# Altium PCB ECG_HS_LS.PcbDoc (part 1 of 2)
Units mm, origin at the board's own origin, x right, y up, seen from the top; angles counter-clockwise.
Board outline 88.82 x 45.47 mm, 4 copper layers (Top Layer, GND, PWR, Bottom Layer), stack 0.929 mm thick; 184 components, 118 nets, 579 pads, 362 vias.
Unrouted connection lines stored in the file: 114.
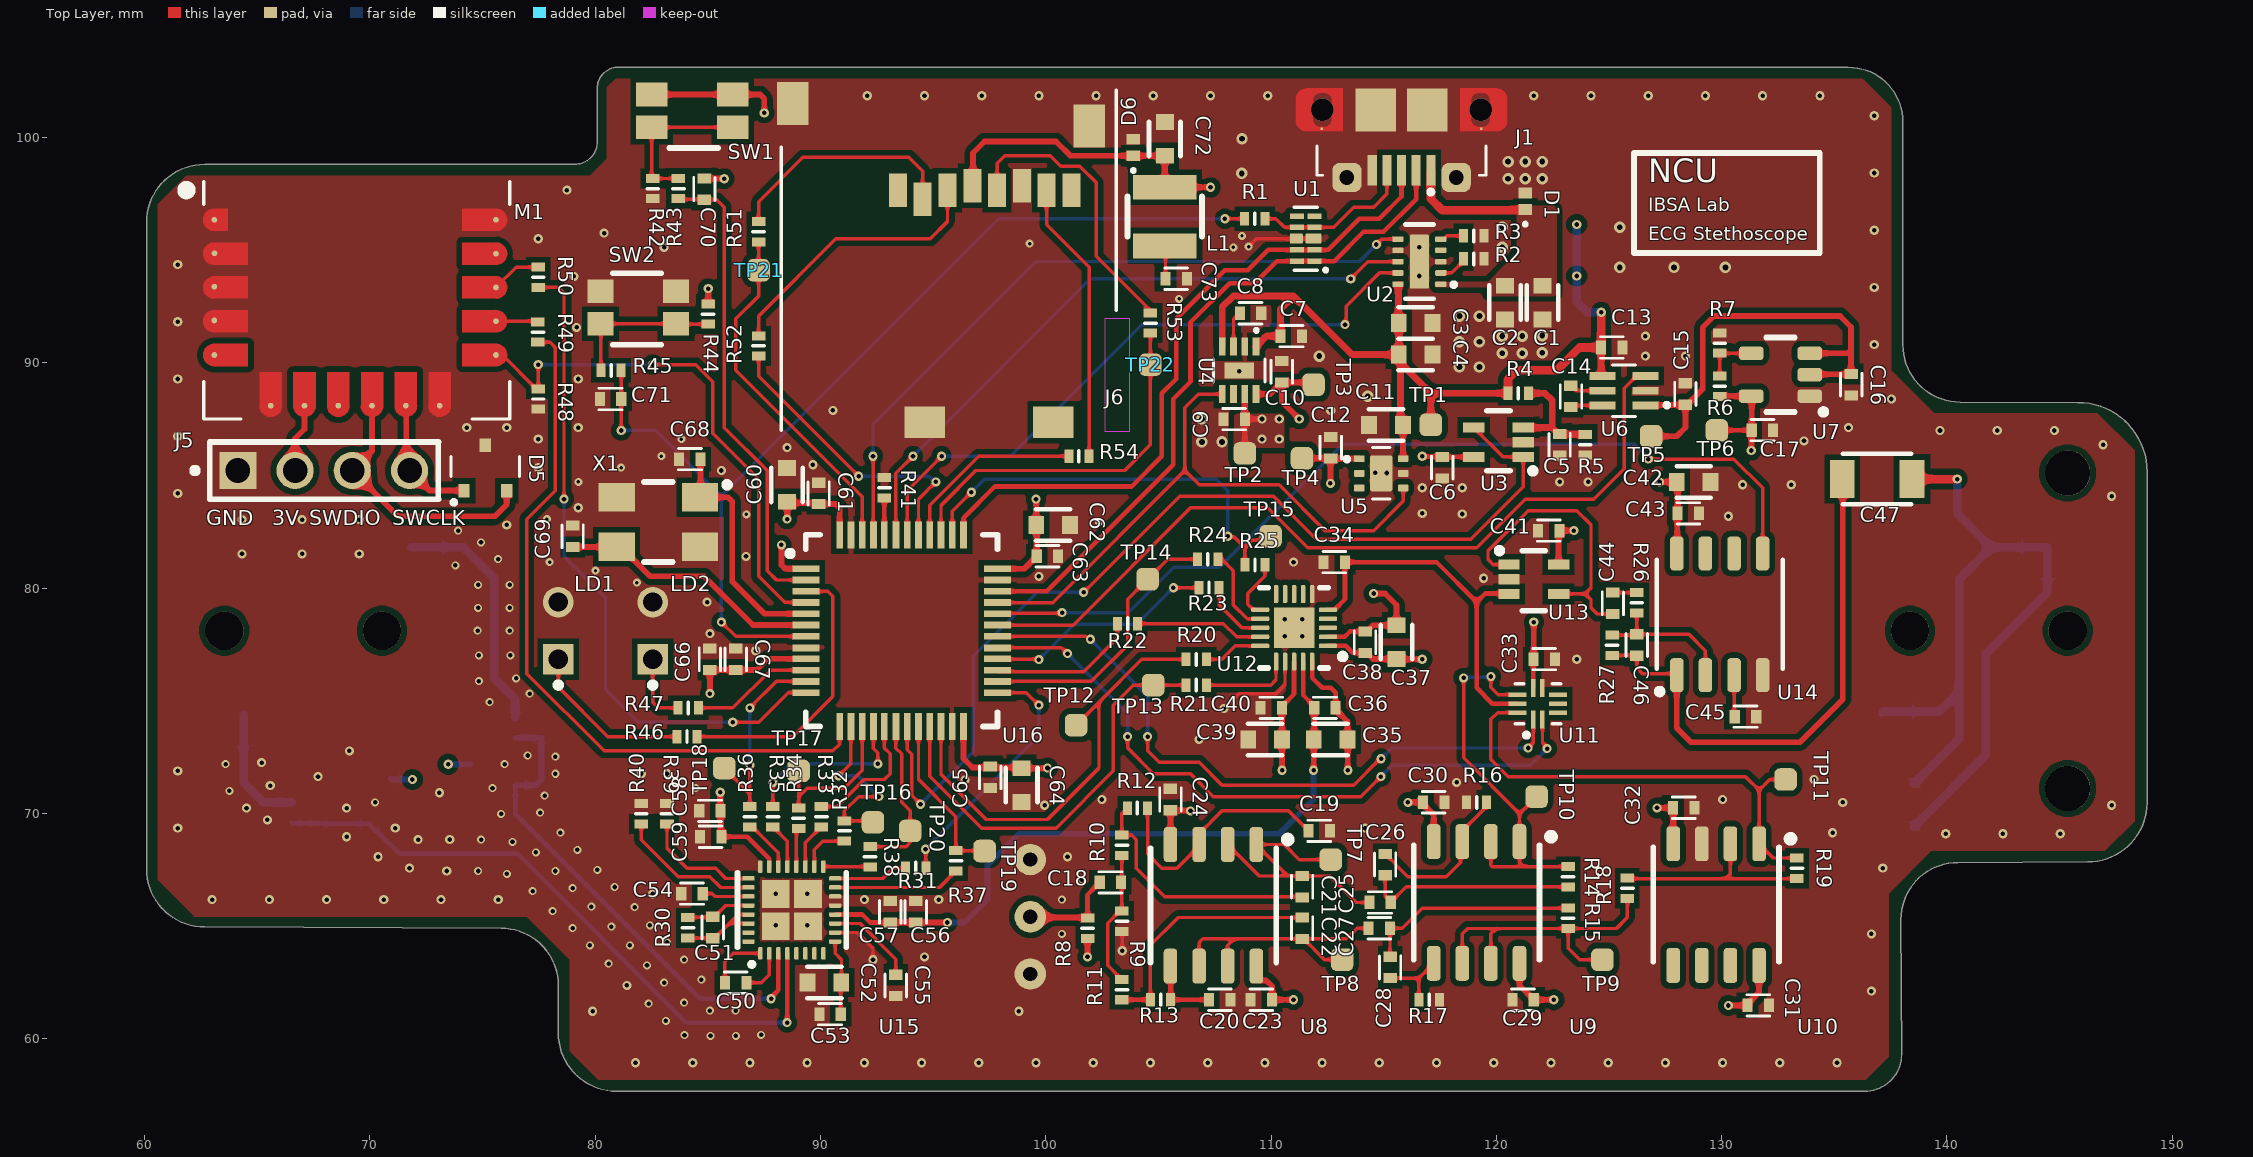
[diagram p0: Top Layer view]
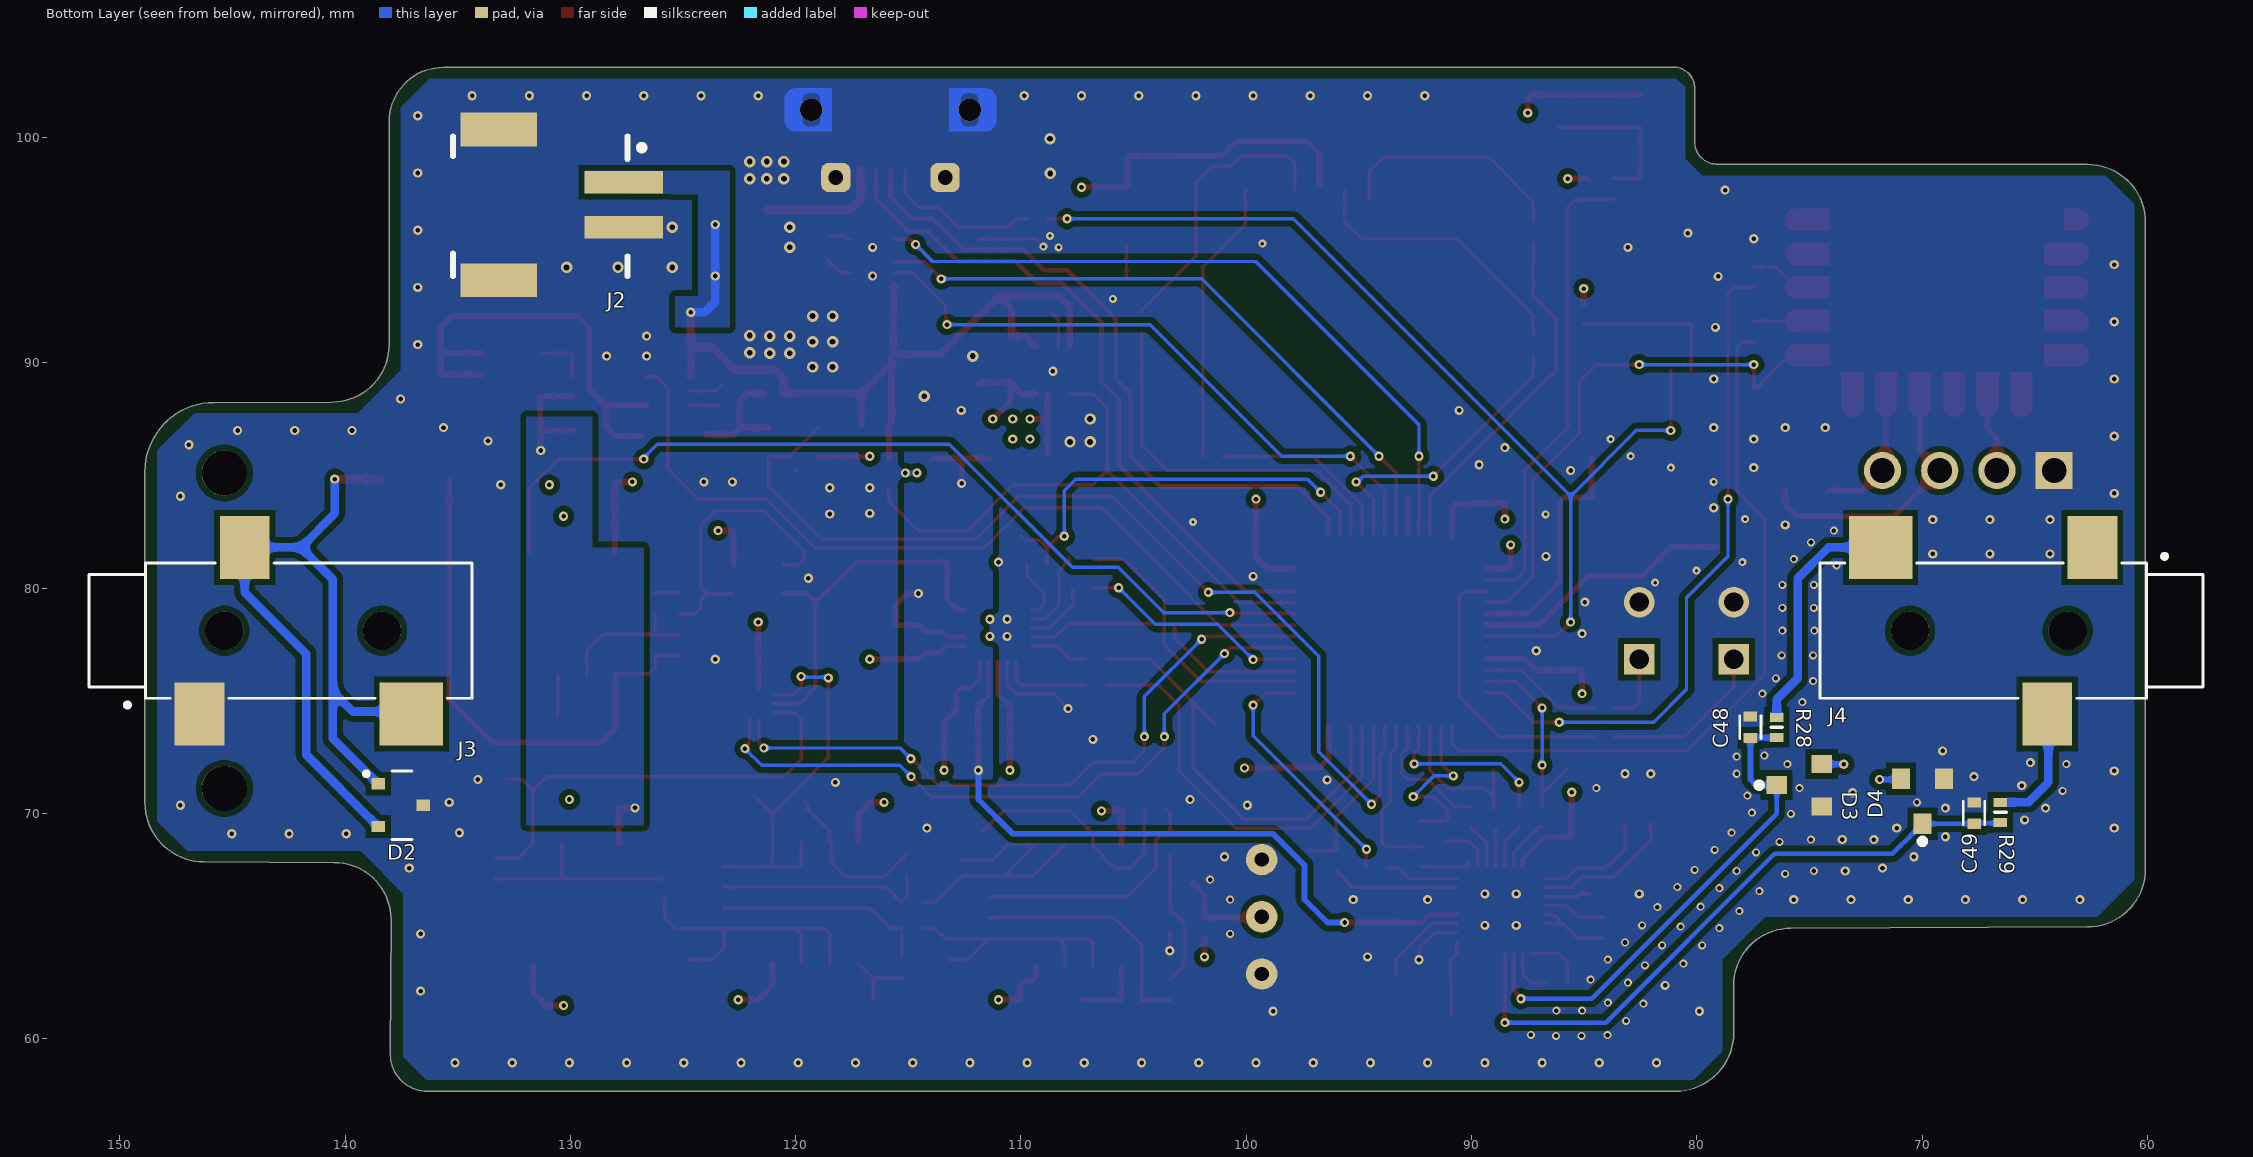
[diagram p1: Bottom Layer view, seen from below]
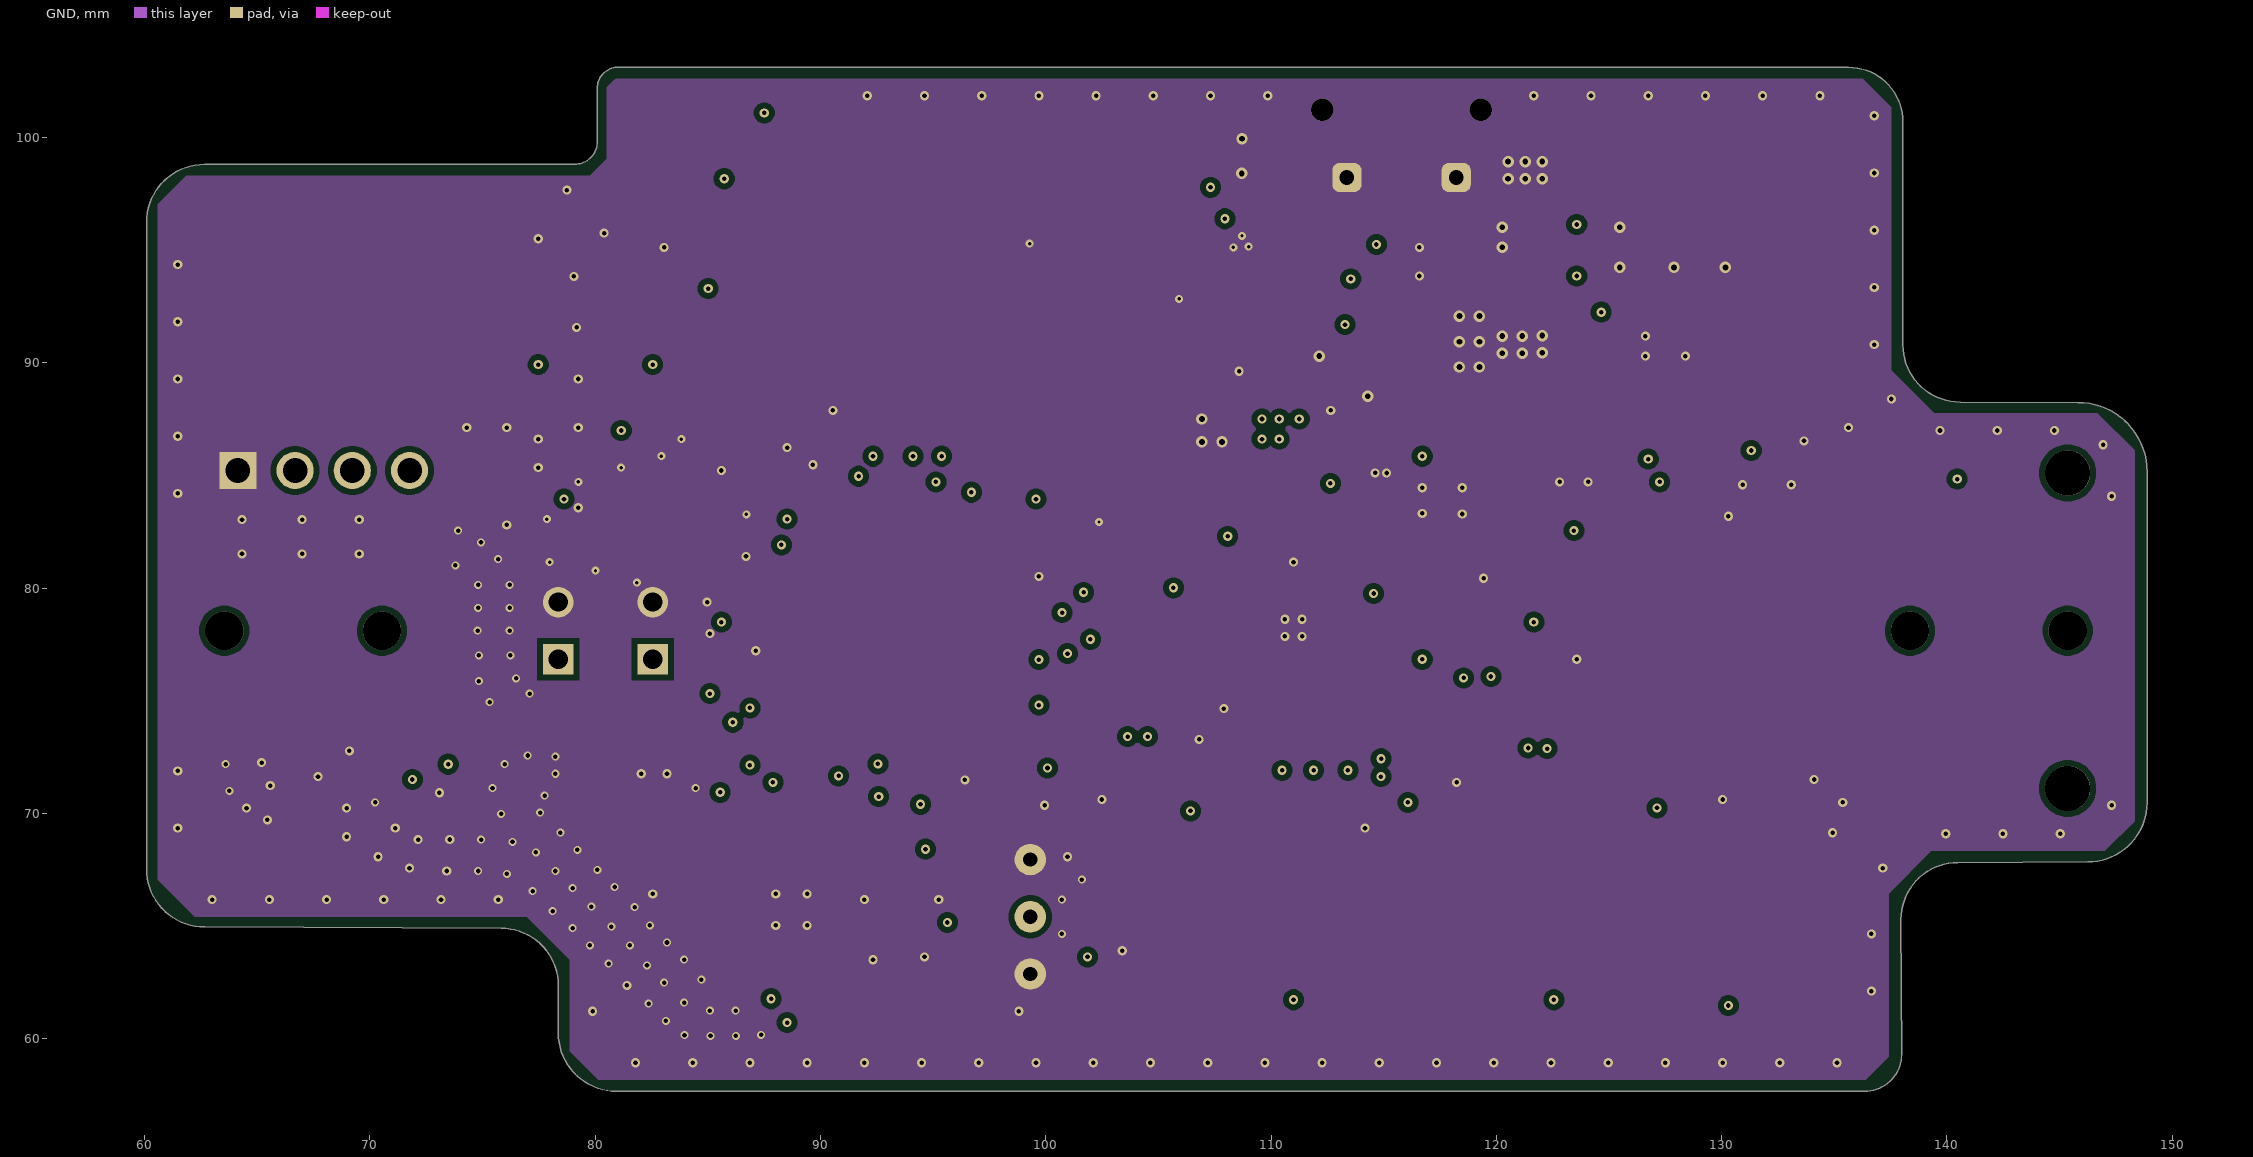
[diagram p2: GND]
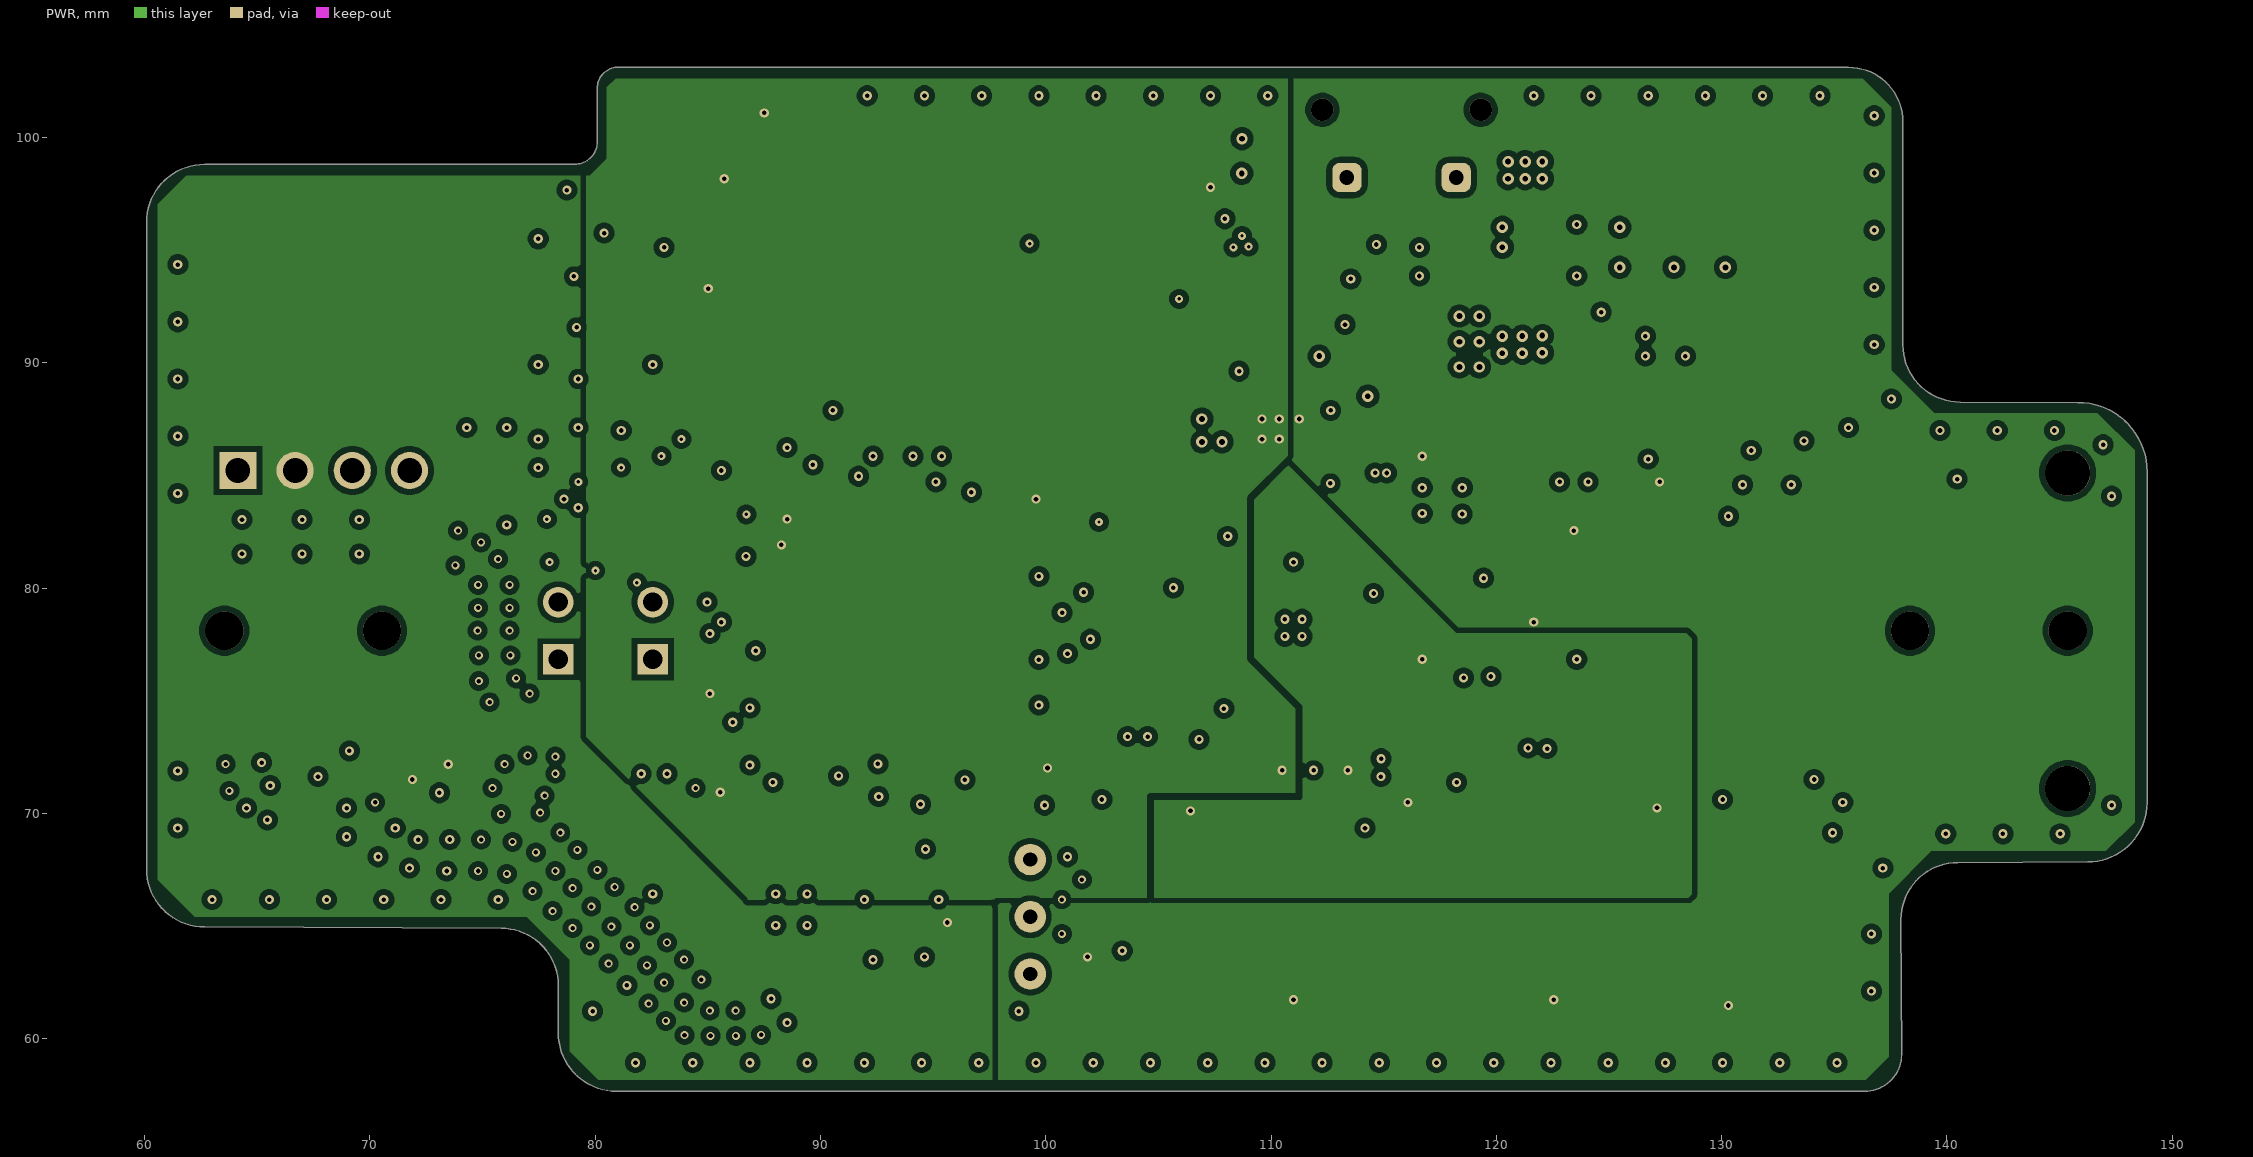
[diagram p3: PWR]
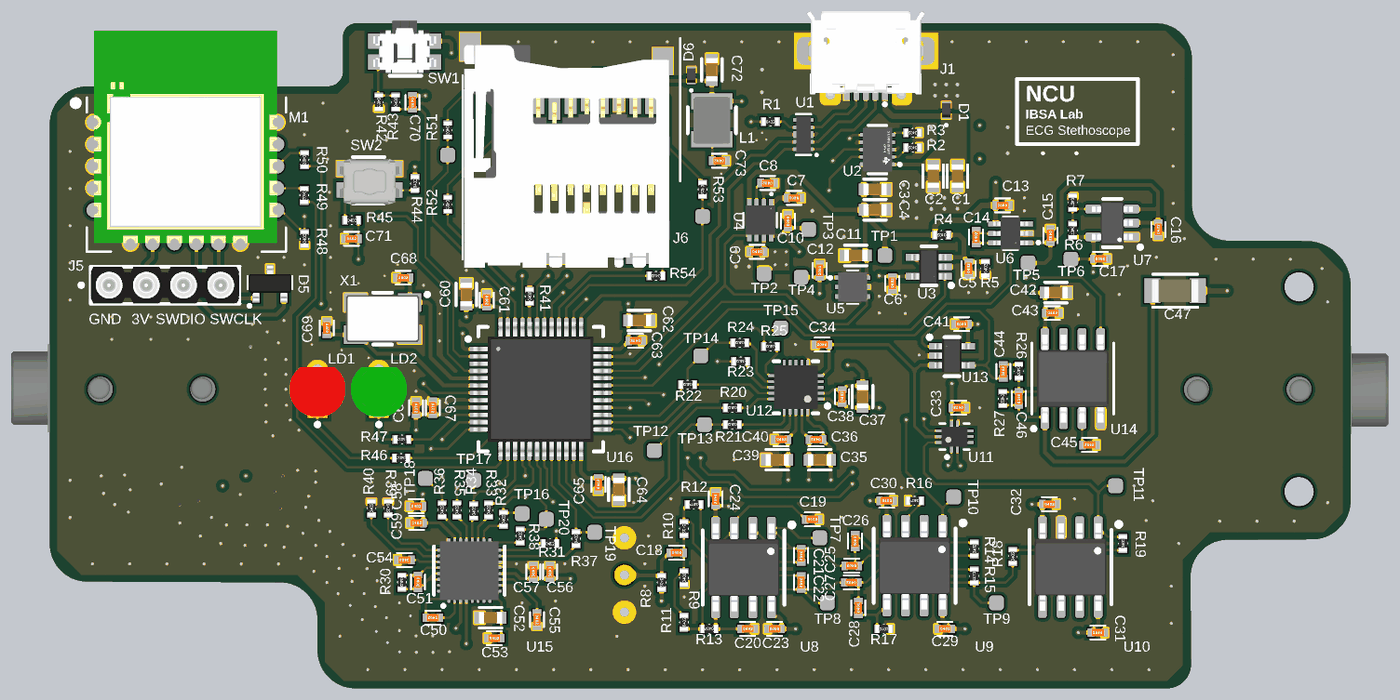
[diagram p5: 3D render of the assembled board from above, using the file's embedded part models]
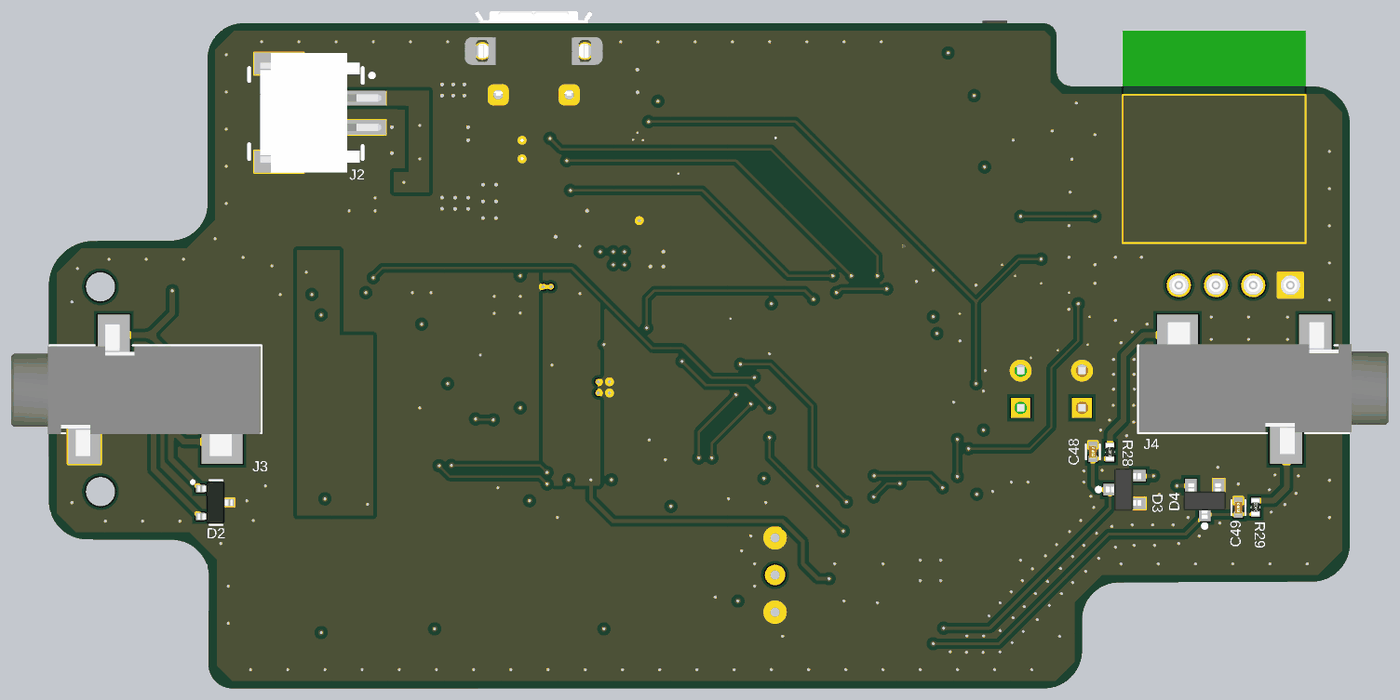
[diagram p6: 3D render of the assembled board from below, using the file's embedded part models]

## Layer stack, top to bottom
Top Solder: solder mask 0.0203, SM-001, Dk 4
Top Layer: signal copper 0.0356
Dielectric 2: prepreg 0.0922, PP-017, Dk 4.07
GND: signal copper 0.0318
Dielectric 3: core 0.6096, Core-039, Dk 4
PWR: signal copper 0.0318
Dielectric 1: prepreg 0.0922, PP-017, Dk 4.07
Bottom Layer: signal copper 0.0356
Bottom Solder: solder mask 0.0203, SM-001, Dk 4

## Board outline
75.819,64.897 cw(c75.819,62.357) 78.359,62.357 78.359,60.25 ccw(c80.951,60.25) 80.951,57.658 136.348,57.652 ccw(c136.348,59.3) 137.995,59.3 137.966,65.287 cw(c140.49,65.287) 140.49,67.811 146.258,67.84 ccw(c146.258,70.472) 148.891,70.472 148.896,85.164 ccw(c145.824,85.164) 145.824,88.235 140.589,88.257 cw(c140.589,90.797) 138.049,90.797 138.054,100.696 ccw(c135.635,100.696) 135.635,103.115 135.635,103.124 81.026,103.124 ccw(c81.026,102.189) 80.091,102.189 80.091,99.82 cw(c79.084,99.82) 79.084,98.813 62.655,98.807 ccw(c62.655,96.233) 60.08,96.233 60.08,67.555 60.08,67.528 ccw(c62.655,67.528) 62.655,64.954

## Design rules (kind name [scope] priority, off if disabled: settings)
Clearance [All] p1: gap=0.254 ignorepadtopadclearanceinfootprint=TRUE except(0: SMDPad-Region; 0.127: Track-SMDPad; 0.152: Arc-Poly Arc-Text Track-Track Track-Region Track-Text SMDPad-Text THPad-Text Via-Text Fill-Text Poly-Text Region-Region Region-Text Text-Text)
DiffPairsRouting [All] p1: maxlimit=0.254 minlimit=0.254 mostfreqgap=0.254 toplayer_minwidth=0.152 toplayer_maxwidth=0.152 toplayer_prefwidth=0.152 bottomlayer_minwidth=0.152 bottomlayer_maxwidth=0.152 bottomlayer_prefwidth=0.152 impedanceprofiledriven=TRUE impedanceprofileid={C100D50C-BDA2-44FA-9C1C-107CB856376A} impedanceprofilevalue=90.000000 maxuncoupledlength=12.7
MinimumSolderMaskSliver [All] p1: minsoldermaskwidth=0
PlaneConnect [All] p1: planeconnectstyle=Direct reliefexpansion=0.508 reliefentries=4 reliefconductorwidth=0.254 reliefairgap=0.254
PolygonConnect [All] p1: connectstyle=Direct reliefconductorwidth=0.254 reliefentries=4 polygonreliefangle="90 Angle" airgapwidth=0.254
RoutingLayers [All] p1: top layer_v5=TRUE mid layer 1_v5=FALSE mid layer 2_v5=FALSE bottom layer_v5=TRUE
RoutingVias [All] p1: holewidth=0.203 width=0.406 viastyle="Through Hole" minholewidth=0.152 minwidth=0.305 maxholewidth=5 maxwidth=5
SilkToSilkClearance [All] p1: silktosilkclearance=0
SilkToSolderMaskClearance [IsPad] p1: minsilkscreentomaskgap=0 clearancetoexposedcopper=TRUE
SolderMaskExpansion [All] p1: expansion=0.102 istentingtop=FALSE
UnRoutedNet [All] p1: checkbadconnections=TRUE
Width [All] p1: maxlimit=1.27 minlimit=0.152 preferedwidth=0.152 impedanceprofiledriven=TRUE impedanceprofileid={4DD0C58B-B7A6-4BFD-A275-5AB8E5130502} impedanceprofilevalue=50.000000 minimp=50.000000 maximp=50.000000 favimp=50.000000
23 further rules are at their usual default settings.

## Classes and differential pairs
component class Peripherals: C70 C71 LD1 LD2 R42 R43 R44 R45 R46 R47 SW1 SW2
component class Microcontroller: C60 C61 C62 C63 C64 C65 C66 C67 C68 C69 R41 U16 X1
component class PowerSupply: C1 C2 C3 C4 C5 C6 C7 C8 C9 C10 C11 C12 C13 C14 C15 C16 C17 D1 J1 J2 R1 R2 R3 R4 R5 R6 R7 TP1 TP2 TP3 TP4 TP5 TP6 U1 U2 U3 U4 U5 U6 U7
component class HeartSound_LungSound: C18 C19 C20 C21 C22 C23 C24 C25 C26 C27 C28 C29 C30 C31 C32 C33 C34 C35 C36 C37 C38 C39 C40 R8 R9 R10 R11 R12 R13 R14 R15 R16 R17 R18 R19 R20 R21 R22 R23 R24 R25 TP7 TP8 TP9 TP10 TP11 TP12 TP13 TP14 TP15 U8 U9 U10 U11 U12
component class ECG: C48 C49 C50 C51 C52 C53 C54 C55 C56 C57 C58 C59 D3 D4 J4 R28 R29 R30 R31 R32 R33 R34 R35 R36 R37 R38 R39 R40 TP16 TP17 TP18 TP19 TP20 U15 "　　　"
component class Module: C72 C73 D5 D6 J5 J6 L1 M1 R48 R49 R50 R51 R52 R53 R54 TP21 TP22
component class Audio: C41 C42 C43 C44 C45 C46 C47 D2 J3 R26 R27 U13 U14

## Components (designator, comment, footprint, x,y, rotation, side; value= is the part's Value field where it differs from the comment)
C1 "10uF" 0603 122.047,92.672 r90 top
C2 "4.7uF" 0603 120.396,92.672 r90 top
C3 "22uF" 0603 116.421,91.766 r180 top
C4 "10uF" 0603 116.421,90.369 r180 top
C5 "1uF" 0402#1 122.809,86.36 r90 top
C6 "0.1uF" 0402#1 117.602,85.344 r90 top
C7 "1uF" 0402#1 110.904,91.186 r180 top
C8 "0.1uF" 0402#1 109.093,92.202 r180 top
C9 "1uF" 0402#1 108.364,87.503 r0 top
C10 "1uF" 0402#1 110.478,89.602 r270 top
C11 "10uF" 0603 115.105,87.245 r0 top
C12 "2.2uF" 0402#1 112.649,86.233 r270 top
C13 "2.2uF" 0402#1 125.128,90.678 r180 top
C14 "1uF" 0402#1 123.317,88.504 r90 top
C15 "2.2uF" 0402#1 128.397,88.613 r270 top
C16 "2.2uF" 0402#1 135.763,89.027 r90 top
C17 "2.2uF" 0402#1 131.814,87.013 r180 top
C18 "0.1uF" 0402#1 102.87,66.929 r0 top
C19 "4700pF" 0402#1 112.141,69.215 r0 top
C20 "470pF" 0402#1 107.729,61.722 r0 top
C21 "0.01uF" 0402#1 111.379,66.741 r270 top
C22 "1000pF" 0402#1 111.379,64.897 r270 top
C23 "0.1uF" 0402#1 109.568,61.722 r180 top
C24 "0.1uF" 0402#1 105.537,70.612 r270 top
C25 "0.015uF" 0402#1 114.841,66.04 r180 top
C26 "0.015uF" 0402#1 115.062,67.724 r270 top
C27 "0.01uF" 0402#1 114.808,64.897 r180 top
C28 "0.01uF" 0402#1 115.284,63.155 r90 top
C29 "0.1uF" 0402#1 121.191,61.722 r0 top
C30 "0.1uF" 0402#1 117.221,70.485 r0 top
C31 "0.1uF" 0402#1 131.633,61.468 r180 top
C32 "0.1uF" 0402#1 128.323,70.245 r0 top
C33 "0.1uF" 0402#1 122.127,76.847 r180 top
C34 "0.033uF" 0402#1 112.809,81.153 r180 top
C35 "10uF" 0603 112.649,73.279 r180 top
C36 "0.1uF" 0402#1 112.395,74.676 r180 top
C37 "10uF" 0603 115.57,77.597 r270 top
C38 "0.1uF" 0402#1 114.173,77.597 r90 top
C39 "10uF" 0603 109.74,73.279 r0 top
C40 "0.1uF" 0402#1 110.015,74.676 r0 top
C41 "0.1uF" 0402#1 122.334,82.55 r180 top
C42 "10uF" 0603 128.766,84.709 r180 top
C43 "0.1uF" 0402#1 128.524,83.312 r0 top
C44 "1uF" 0402#1 125.18,79.322 r90 top
C45 "1uF" 0402#1 131.064,74.295 r180 top
C46 "4700pF" 0402#1 126.238,77.47 r270 top
C47 "100uF" 1206 136.906,84.836 r0 top
C48 "180pF" 0402#1 77.617,73.824 r270 bottom
C49 "180pF" 0402#1 67.691,70.01 r270 bottom
C50 "4700pF" 0402#1 86.233,62.484 r180 top
C51 "1500pF" 0402#1 85.217,64.93 r270 top
C52 "10uF" 0603 90.17,62.484 r0 top
C53 "0.1uF" 0402#1 90.424,61.087 r0 top
C54 "1uF" 0402#1 84.296,66.435 r180 top
C55 "1uF" 0402#1 93.345,62.357 r270 top
C56 "1uF" 0402#1 94.234,65.626 r270 top
C57 "0.1uF" 0402#1 93.091,65.626 r270 top
C58 "1uF" 0402#1 85.09,70.104 r0 top
C59 "0.1uF" 0402#1 85.123,68.961 r0 top
C60 "4.7uF" 0603 88.519,84.582 r270 top
C61 "0.1uF" 0402#1 89.916,84.201 r270 top
C62 "4.7uF" 0603 100.33,82.804 r180 top
C63 "0.1uF" 0402#1 100.076,81.407 r180 top
C64 "4.7uF" 0603 98.933,71.247 r90 top
C65 "0.1uF" 0402#1 97.536,71.595 r90 top
C66 "1uF" 0402#1 85.09,76.835 r270 top
C67 "0.1uF" 0402#1 86.233,76.835 r270 top
C68 "5pF" 0402#1 84.201,85.725 r0 top
C69 "5pF" 0402#1 78.994,82.296 r270 top
C70 "0.1uF" 0402#1 84.846,97.709 r270 top
C71 "0.1uF" 0402#1 80.678,88.392 r0 top
C72 "10uF" 0603 105.283,99.937 r270 top
C73 "0.1uF" 0402#1 105.791,93.726 r180 top
D1 "NSPU3051N2T5G" X2DFN-2(0.73-0.6x1.0x0.37) 121.285,97.171 r90 top
D2 "PESD3V3L2BT,215" SOT-23-3 137.541,70.358 r90 bottom
D3 "BAV199-7-F" SOT-23 75.454,71.247 r90 bottom
D4 "BAV199-7-F" SOT-23 69.982,70.532 r0 bottom
D5 "PESD3V3L2BT,215" SOT-23-3 75.118,85.328 r180 top
D6 "NSPU3051N2T5G" X2DFN-2(0.73-0.6x1.0x0.37) 103.886,99.552 r90 top
J1 "ZX62D-B-5PA8(30)" HIROSE_ZX62D-B-5PA8(30) 115.794,101.227 r180 top
J2 "1769" "JST-PH 2-Pin" 133.185,97.012 r270 bottom
J3 "SJ-3523-SMT-TR" CUI_SJ-3523-SMT-TR 145.368,78.105 r180 bottom
J4 "SJ-3523-SMT-TR" CUI_SJ-3523-SMT-TR 63.532,78.105 r0 bottom
J5 "310-87-104-41-001101" "4Pos, 1Row" 67.945,85.217 r0 top
J6 "GTFP08432B1HR" microSD_Card_slot 95.377,97.663 r180 top
L1 "4.7uH" "3.2 mm x 2.5 mm x 1 mm" 105.283,96.49 r270 top
LD1 "RED" RED 78.359,78.105 r90 top
LD2 "GREEN" GREEN 82.55,78.105 r90 top
M1 "DA14531MOD-00F01002" DA14531MOD-00F01002 69.342,93.345 r0 top
R1 "0Ω" 0402#2 109.278,96.393 r0 top
R2 "680Ω" 0402#2 118.999,94.615 r180 top
R3 "2.2kΩ" 0402#2 118.999,95.631 r180 top
R4 "71.5kΩ" 0402#2 120.973,88.646 r180 top
R5 "47kΩ" 0402#2 123.952,86.36 r90 top
R6 "71.5kΩ" 0402#2 129.921,88.958 r270 top
R7 "47kΩ" 0402#2 129.921,90.874 r270 top